# Altium PCB DM2080.PcbDoc (part 2 of 3) (continued)
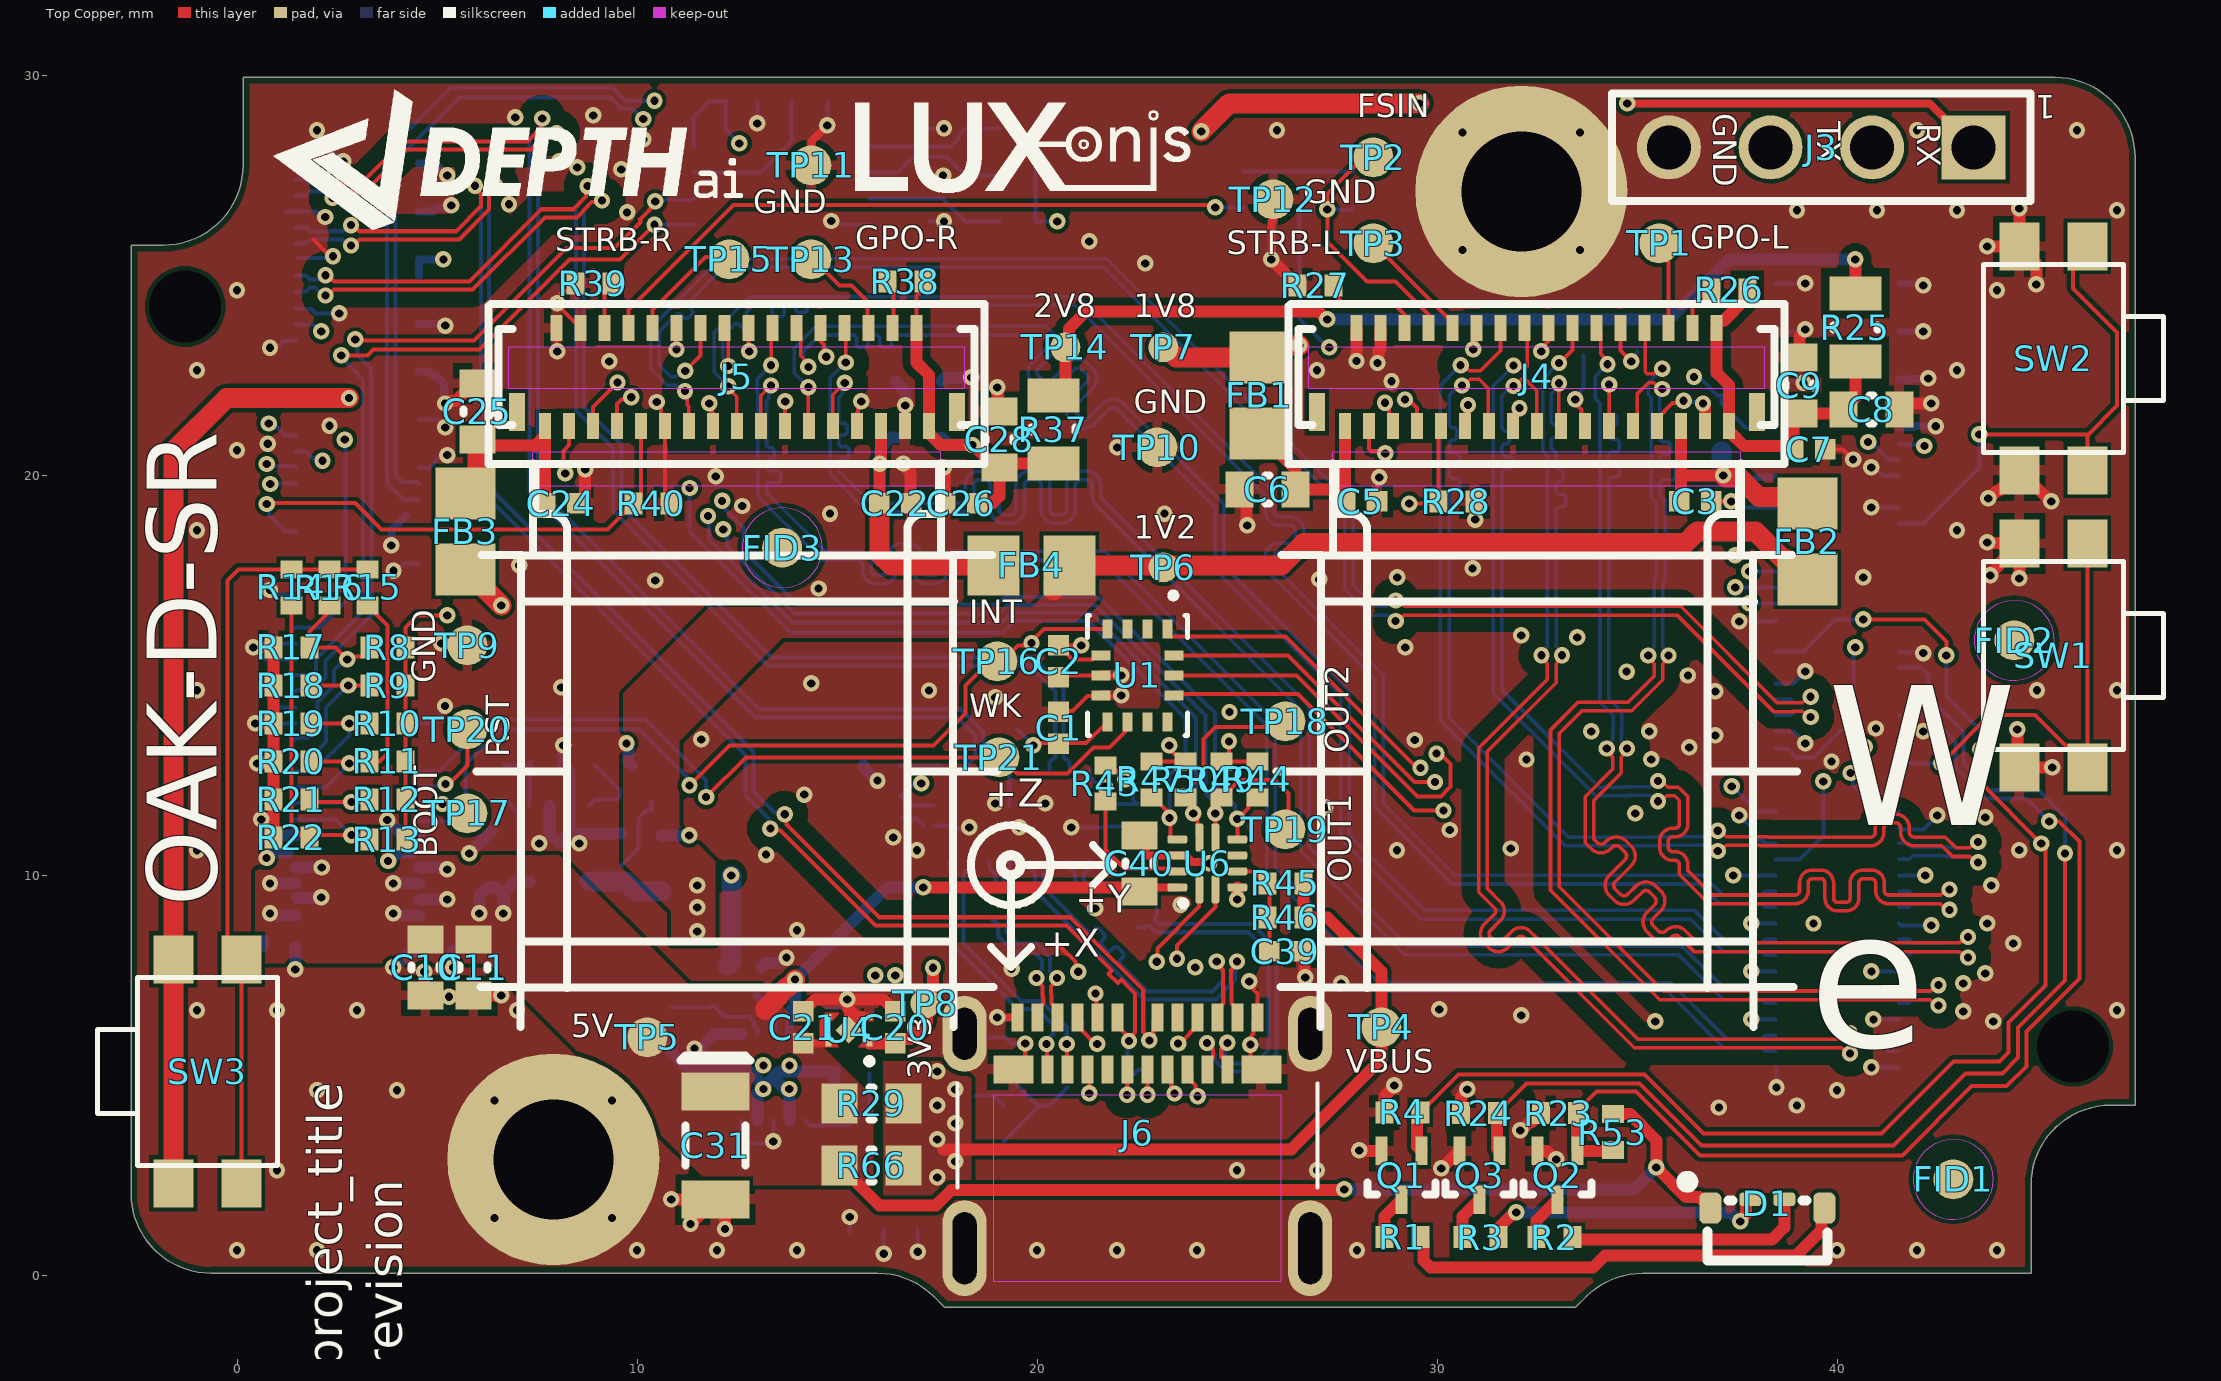
[diagram p0: Top Copper view]
## Nets (pads, with @x,y where several pads share a name; then routed paths per layer and width w, separated by ;. In a path a pad name is that pad's centre, name@x,y a point inside that pad or via, vN(x,y) a via of type N, cw(c..) or ccw(c..) an arc to the next point about the centre after c; other vN are vias at no path point) (continued)
  Top Copper w0.102: 1.9,25.9 2.323,25.477 v1(2.392,25.477) ; J5.2@7.98,23.684 7.98,23.12 v1(8,23.1) ; R39.2@8.442,24.917 8.442,24.773 8.276,24.607 8.132,24.607 8.063,24.538 8.063,24.446 8,24.382 v1(8,24.3) 8.015,24.285 8.015,24.25 J5.4@8.58,23.684 ; v1(10.486,21.832) 10.486,21.75 10.589,21.647 10.589,21.333 J5.11@10.688,21.234 10.688,19.412 R40.2@10.8,19.3 ; v1(10.981,23.148) J5.12@10.98,23.684 ; v1(11.8,21.8) 11.858,21.742 11.858,21.589 11.888,21.559 J5.15@11.888,21.234 ; J5.18@12.78,23.684 12.78,23.12 v1(12.8,23.1) ; J5.21@13.688,21.234 13.688,21.838 v1(13.7,21.85) ; J5.24@14.58,23.684 14.58,23.359 14.665,23.274 14.665,23.023 v1(14.724,22.965) ; U4.5@15.29,6.13 15.62,6.46 U4.2@15.8,6.46 ; J5.27@15.488,21.234 15.488,21.559 15.514,21.585 15.514,21.764 v1(15.6,21.85) ; J6.B12@19.4,5.15 19.699,5.449 v1(19.699,5.797) ; 20.503,8.211 20.579,8.211 20.95,7.84 20.95,7.802 20.966,7.787 20.966,7.649 v1(21.024,7.59) ; C1.1@20.53,14.09 20.548,14.108 20.883,14.108 21.257,14.482 21.57,14.482 21.577,14.475 22.075,14.475 v1(22.1,14.5) 22.1,14.926 v1@22.026,15 ; C2.1@20.53,14.95 20.58,15 U1.6@21.588,15 v1@22.026,15 ; v1(22.1,15) v1@22.026,15 ; U6.10@23.5,10.5 23.754,10.5 23.915,10.339 23.944,10.31 24.29,10.31 v1(24.3,10.3) ; v1(25.3,7.35) 25.3,7.268 25.4,7.168 25.4,7.15 25.5,7.05 J6.A12@25.5,6.45 25.401,6.351 25.401,6.041 25.352,5.992 25.352,5.794 v1(25.325,5.767) 25.325,5.425 J6.B1@25.6,5.15 ; C5.1@28.49,19.35 28.49,19.61 28.492,19.612 28.492,19.892 v1(28.55,19.95) ; J4.11@30.688,21.234 30.688,21.559 30.711,21.583 30.711,21.702 v1(30.769,21.761) ; v1(30.9,23.15) 30.958,23.208 30.958,23.337 30.98,23.359 J4.12@30.98,23.684 ; R28.2@30.928,19.35 30.928,18.914 v1(30.95,18.892) ; J4.15@31.888,21.234 31.888,21.538 32.03,21.68 v1(32.057,21.68) ; v1(32.6,23.1) 32.6,23.179 32.78,23.359 J4.18@32.78,23.684 ; v1(33.45,21.9) 33.508,21.842 33.508,21.739 33.607,21.64 33.607,21.315 J4.21@33.688,21.234 ; J4.24@34.58,23.684 34.58,23.12 v1(34.85,22.85) ; J4.27@35.488,21.234 35.488,21.409 35.884,21.806 36.1,21.806 v1(36.159,21.864) ; C3.1@36.85,19.35 v1(37.35,19.35) ; C9.1@39.05,22.95 39.05,23.3 39.124,23.374 39.124,23.545 39.124,23.574 v1(39.2,23.65) ; C7.1@39.702,20.648 40.144,20.648 v1(40.396,20.396)
  Top Copper w0.2: TP11.1@14.35,27.75 14.35,28.35 v1(14.75,28.75) ; v1(19,6.45) J6.A1@19.5,6.45 ; C40.1@22.9,11.15 22.9,11.094 22.7,10.894 22.7,10.5 U6.10@23.5,10.5 23.706,10.5 23.866,10.339 23.915,10.339 24.261,10.339 v1@24.29,10.31 ; v1(25.85,25.4) 25.85,26.34 25.9,26.39 TP12.1@25.9,26.9
  Top Copper w0.3: v1(0.4,15.7) R17.1@0.9,15.7 R18.1@0.9,14.75 R19.1@0.9,13.8 ; v1(0.45,13.8) R19.1@0.9,13.8 ; v1(0.5,12.8) 0.85,12.8 R20.1@0.9,12.85 ; R22.1@0.9,10.95 R21.1@0.9,11.9 R20.1@0.9,12.85 ; v1(4.673,7.59) 4.673,7.027 C10.1@4.7,7 ; v1(5.195,21.795) 5.224,21.795 5.282,21.853 5.453,21.853 5.9,22.3 C25.1@6,22.3 ; v1(5.295,6.965) 5.312,6.983 5.883,6.983 C11.1@5.9,7 v1(6.6,7) ; C24.1@8.5,19.3 8.697,19.497 8.697,20.147 v1(8.7,20.15) ; v1(10.85,1.9) C31.2@11.95,1.9 ; v1(11.332,1.282) C31.2@11.95,1.9 ; v1(12.195,1.16) 12.195,1.855 12.05,2 C31.2@11.95,1.9 ; C21.2@14.15,6.6 14.45,6.9 v1(15.25,6.9) ; U4.5@15.29,6.13 15.306,6.146 15.306,6.274 15.312,6.279 15.312,6.626 ; 15.62,6.46 15.478,6.46 15.27,6.667 15.27,6.88 v1(15.25,6.9) ; C20.1@16.45,6.6 16.15,6.9 v1(15.25,6.9) ; v1(16.651,20.295) 16.651,20.266 16.829,20.088 16.829,19.41 16.85,19.389 C22.1@16.85,19.3 ; v1(17.658,20.197) 17.679,20.176 17.679,19.321 C26.1@17.7,19.3 ; v1(19,22.2) 19,21.65 C28.1@19.05,21.6 ; v1(22,20.7) v1@22.029,20.7 ; v1(25,9.4) U6.3@25,9.7 ; C6.1@25.05,19.65 25.23,19.47 25.23,18.77 v1(25.25,18.75) ; v1(25.85,25.4) R27.2@26.5,24.75 ; C39.1@26.6,8.1 26.68,8.02 26.68,7.47 v1(26.7,7.45) ; J4.2@27.98,23.684 v1(27.98,22.857) v1@28,22.877 ; v1@28.1,3.15 28.075,3.125 v1(28.05,3.125) 28.065,3.11 Q1.2@28.6,3.11 ; v1(28.508,22.808) 28.528,22.828 28.528,23.12 28.58,23.173 J4.4@28.58,23.684 ; R4.2@28.675,4.075 28.675,4.471 28.925,4.721 v1(28.925,4.75) ; v1(30.1,2.675) 30.115,2.675 Q3.2@30.55,3.11 ; R24.2@30.587,4.059 30.587,4.458 30.75,4.621 v1(30.75,4.65) ; v1(32.075,3.625) 32.104,3.625 32.312,3.834 32.362,3.834 R23.2@32.587,4.059 ; Q2.2@32.5,3.11 32.736,3.11 32.946,2.9 v1(32.975,2.9) ; v1(36.642,21.794) 36.642,21.765 36.688,21.719 J4.31@36.688,21.234 ; C9.1@39.05,23.3 39.05,23.471 39.124,23.545 39.2,23.621 v1(39.2,23.65) ; C8.1@41.55,21.65 41.7,21.8 v1(42.35,21.8) ; v1(43.75,18.325) 43.77,18.305 44.045,18.305 44.05,18.3 SW1.1@44.55,18.3 ; v1(43.75,25.725) SW2.1@44.55,25.725 ; v1(43.775,19.425) 43.804,19.425 44.004,19.625 44.05,19.625 SW2.3@44.55,20.125 45.325,19.35 v1(45.35,19.35) ; v1(43.825,17.5) 43.825,17.529 44.05,17.754 44.05,17.8 SW1.1@44.55,18.3 ; v1(44.5,13.65) 44.5,12.75 SW1.3@44.55,12.7 v1(45.375,12.7) ; v1(44.55,17.425) SW1.1@44.55,18.3 ; v1(44.55,26.675) SW2.1@44.55,25.725 ; v1(44.975,24.775) 44.975,25.3 SW2.1@44.55,25.725 ; R20.1@0.9,12.85 R19.1@0.9,13.8
  Layer 2 w0.102: v1(2.2,26.457) 2.2,26.375 2,26.174 2,25.869 v1(2.392,25.477)
  Layer 3 w0.102: v1(2.2,26.457) 2.2,26.4 1.9,26.1 1.9,25.969 v1(2.392,25.477) v1@2.323,25.477 ; v1(13.7,21.85) 13.758,21.908 13.758,23.408 ; 14.724,21.724 v1(14.724,22.965) 14.724,23.474 ; 32.441,21.709 32.441,22.857
  Bottom Layer w0.102: v1(0.813,17.132) 0.895,17.132 0.988,17.039 1.161,17.039 1.2,17 J2.46@1.46,17 ; v1(0.818,23.192) 0.877,23.25 1.05,23.25 1.161,23.361 1.421,23.361 J2.78@1.46,23.4 ; J2.94@1.2,26.6 1.975,26.6 2.118,26.457 v1(2.2,26.457) ; J2.30@1.46,13.8 v1(0.45,13.8) 0.85,14.2 J2.32@1.46,14.2 ; J2.38@1.46,15.4 0.7,15.4 v1(0.4,15.7) 1.01,15.7 1.11,15.8 J2.40@1.46,15.8 ; J2.82@1.46,24.2 1.499,24.161 1.849,24.161 1.96,24.05 v1(2.55,24.05) ; J2.100@1.46,27.8 1.72,27.8 1.975,28.055 2.438,28.055 2.643,27.85 v1(2.65,27.85) ; J2.88@1.498,25.438 2.354,25.438 v1(2.392,25.477) ; v1(3.905,17.615) 3.987,17.615 4.172,17.8 J2.49@4.54,17.8 ; J2.29@4.54,13.8 4.89,13.8 5.042,13.952 5.042,13.998 5.195,14.15 v1(5.195,14.233) ; J2.39@4.54,15.8 v1(5.1,15.8) ; J2.61@4.54,20.2 4.8,20.2 5.047,20.446 5.19,20.446 v1(5.249,20.505) ; J2.67@4.54,21.4 5,21.4 v1(5.2,21.2) ; v1(13,28.8) C61.1@13,29.35 ; v1(14.75,28.75) R62.1@14.75,29.35 ; v1(14.85,26.357) 14.908,26.299 15.073,26.299 15.097,26.275 U8.4@15.8,26.275 ; R41.1@15.31,1.09 v1(15.31,1.46) v1@15.31,1.51 ; v1(16.16,0.54) C30.1@16.16,1.14 ; C38.1@16.6,11.42 16.98,11.42 U5.20@17.15,11.25 ; v1(17.01,0.59) C29.1@17.01,1.14 ; R65.1@17.3,26.35 v1(17.67,26.35) ; R64.1@17.3,27.5 17.302,27.498 v1(17.646,27.498) ; R63.1@17.3,28.675 v1(17.67,28.675) ; U5.20@17.4,11.25 17.946,11.25 18.046,11.15 U5.21@18.3,11.15 ; J6.SH1@18.18,6.04 18.27,5.95 R52.1@19.2,5.95 19.353,5.797 v1(19.699,5.797) ; v1(18.95,14.45) C36.1@19.5,14.45 ; U5.21@19.3,11.75 U5.5@19.3,12.65 ; v1(20.85,11.2) U5.11@21.7,11.2 ; U5.11@21.7,11.25 21.73,11.22 C37.1@22.5,11.22 ; v1(33.45,21.9) 33.45,21.982 33.65,22.182 33.65,23 ; v1(34.85,22.85) 34.85,22.932 35,23.082 ; v1(36.159,21.864) 36.194,21.829 36.607,21.829 v1(36.642,21.794) ; v1(36.415,22.462) 36.473,22.404 36.596,22.404 37,22 C4.1@37.1,22 37.1,21.8 37.7,21.2 J1.82@38.46,21.2 ; v1(37.35,19.35) v1@37.408,19.408 ; v1(37.4,10) J1.26@38.46,10 ; v1(37.55,11.5) 37.851,11.199 37.851,11.08 38.04,10.89 38.11,10.89 38.2,10.8 J1.30@38.46,10.8 ; v1(37.55,16.35) 38.41,16.35 J1.58@38.46,16.4 ; v1(37.85,6.4) J1.8@38.46,6.4 ; v1(37.85,7.6) J1.14@38.46,7.6 ; v1(37.85,8.8) J1.20@38.46,8.8 ; J1.2@38.46,5.2 38.48,5.18 v1(38.48,4.7) ; J1.44@38.46,13.6 38.9,13.6 v1(39.2,13.3) ; J1.50@38.46,14.8 38.9,14.8 v1(39.2,15.1) ; J1.72@38.46,19.2 37.71,19.2 37.65,19.259 37.65,19.428 37.631,19.408 v1@37.408,19.408 ; J1.76@38.46,20 J1.76@38.45,20 ; J1.88@38.46,22.4 38.499,22.361 39.105,22.361 v1(39.152,22.313) ; J1.94@38.46,23.6 39.15,23.6 v1(39.2,23.65) ; J1.100@38.46,24.8 v1(39.2,24.8) ; v1(40.85,5.2) J1.1@41.54,5.2 ; v1(40.85,7.6) J1.13@41.54,7.6 ; v1(40.85,19.2) J1.71@41.54,19.2 ; v1(40.85,20.2) 40.932,20.2 41.133,20 J1.75@41.54,20 ; v1(40.9,6.4) J1.7@41.54,6.4 ; J1.19@41.54,8.8 41.59,8.75 v1(42.35,8.75) ; J1.31@41.54,11.2 41.59,11.15 42.15,11.15 v1(42.5,11.5) ; J1.53@41.54,15.6 41.562,15.578 42.128,15.578 v1(42.15,15.555) ; J1.25@41.54,10 v1(42.2,10) ; v1@37.408,19.408 37.91,19.91 ; 37.91,19.91 38,20 J1.76@38.45,20 ; 37.91,19.91 38.36,19.91 J1.76@38.45,20
  Bottom Layer w0.15: J1.93@41.54,23.6 v1(42.15,23.6) ; J1.99@41.54,24.8 J1.99@41.89,24.8 ; 41.891,24.799 42.101,24.799 v1(42.15,24.75)
  Bottom Layer w0.2: v1(3.85,18.25) 3.85,18.635 J2.55@4.202,18.987 ; J2.73@4.54,22.6 4.78,22.6 4.888,22.491 4.974,22.491 5.167,22.298 5.167,21.824 v1(5.195,21.795) ; J2.79@4.54,23.8 4.55,23.79 5.097,23.79 5.144,23.743 v1(5.2,23.743) ; J2.85@4.54,25 J2.87@4.54,25.4 v1(5.15,25.4) ; J2.93@4.54,26.6 4.89,26.6 4.978,26.688 5.288,26.688 v1(5.35,26.75) ; J2.99@4.54,27.8 4.95,27.8 v1(5.25,27.5) ; J1.81@41.54,21.2 41.55,21.21 41.9,21.21 41.919,21.229 v1(42.46,21.229) ; J1.87@41.54,22.4 41.89,22.4 41.901,22.411 v1@42.111,22.411 ; v1@42.15,22.45 v1@42.111,22.411 ; v1(42.275,22.425) 42.261,22.411 v1@42.111,22.411
  Bottom Layer w0.3: v1(0.6,11.4) 0.629,11.4 1.029,11 J2.16@1.46,11 ; 0.65,8.25 0.66,8.26 0.66,8.357 ; v1(0.734,10.435) 0.762,10.435 0.895,10.568 J2.14@1.26,10.568 ; v1(1.45,7.65) 1.46,7.66 J2.2@1.46,8.2 ; v1(3.75,11.381) 3.763,11.381 4.086,11.058 4.482,11.058 J2.15@4.54,11 ; v1(3.771,10.361) 3.8,10.361 4.007,10.568 J2.13@4.34,10.568 ; v1(3.9,7.7) 3.929,7.7 4.339,8.11 4.45,8.11 J2.1@4.54,8.2 ; 5.38,8.12 5.38,7.72 v1(5.4,7.7) ; v1(5.8,10.55) C12.1@6.35,11.1 ; U2.2@7.8,11.75 7.8,11.05 U2.9@8.05,10.8 U2.9@8.3,11.05 ; v1(8.15,13.25) C13.1@8.15,12.75 8.3,12.6 U2.3@8.3,11.75 U2.9@8.3,11.05 ; C15.1@9.6,11.05 U2.9@8.3,11.05 ; v1(9.727,13.3) 9.727,13.271 9.775,13.223 9.775,12.825 R32.1@9.85,12.75 ; C14.1@10.6,11 v1(11.3,11) ; R36.2@10.85,5.8 10.85,5.575 11.275,5.15 C17.2@11.85,5.15 12.75,5.15 U3.11@13.175,4.725 ; U3.4@13,3.871 13,4.55 U3.11@13.175,4.725 ; C18.1@13.1,7.7 13.21,7.81 13.565,7.81 13.698,7.943 v1(13.727,7.943) ; U3.11@13.2,4.65 13.2,4.7 U3.11@13.175,4.725 ; U3.11@13.778,5.222 v1(13.804,5.247) ; U3.2@13.8,3.871 13.8,4.55 U3.11@13.69,4.66 ; v1(13.8,4.66) U3.11@13.69,4.66 ; C19.2@14.75,6.8 15.01,6.8 15.09,6.88 15.38,6.88 v1@15.4,6.9 ; R34.2@14.9,4.25 14.9,5.05 C16.1@14.95,5.1 13.55,5.1 U3.11@13.4,4.95 ; R42.2@15.65,12.75 15.65,12.7 15.983,12.367 v1(16.006,12.367) ; C23.1@16.45,22.35 16.7,22.1 v1(16.7,21.75) ; C27.1@17.6,22.35 17.7,22.45 v1(18.35,22.45) ; U3.11@13.175,4.725 U3.11@13.4,4.95 ; U3.11@13.4,4.95 U3.11@13.69,4.66
  other v1: -0.009,0.628 1.991,0.628 9.991,0.628 11.991,0.628 13.991,0.628 19.991,0.628 21.991,0.628 23.991,0.628 27.991,0.628 39.991,0.628 41.991,0.628 43.991,0.628 6.433,1.433 9.367,1.433 0.991,2.628 24.991,2.628 26.991,2.628 37.038,4.195 38.988,4.245 6.433,4.367 9.367,4.367 1.991,4.628 3.991,4.628 39.991,4.628 13.15,4.66 13.15,5.25 35.45,6.35 43.9,6.35 32.1,6.5 43.15,6.6 -1.009,6.628 0.991,6.628 2.991,6.628 6.991,6.628 46.991,6.628 30.05,6.65 27.6,7.3 43.15,7.3 43.7,7.55 19.359,7.662 23.95,7.7 44.4,8.3 13.991,8.628 39.404,8.796 43.75,8.8 21.448,9.17 23.579,9.267 43.85,9.75 13.221,10.518 -1.009,10.628 16.991,10.628 28.991,10.628 44.55,10.63 46.991,10.628 31.835,10.67 7.55,10.8 8.55,10.8 16.4,10.95 30.311,11.136 18.3,11.2 19.55,11.2 43.7,11.45 34.95,11.55 27.2,11.7 18.95,11.8 20.2,11.8 14.175,12.018 39.852,12.847 32.227,12.895 35.35,12.9 36.3,13.2 11.6,13.4 29.434,13.382 36.95,13.5 33.85,13.6 35.3,13.6 42.15,13.6 40.963,13.672 24.808,14.086 17.294,14.619 36.95,14.6 -1.009,14.628 44.991,14.628 46.991,14.628 8.1,14.7 14.35,14.8 36.264,14.995 34.734,15.093 29.2,15.7 33.5,15.95 32.1,16 14.534,17.173 10.447,17.37 27.05,17.4 29,17.45 40.65,17.45 30.883,17.675 7.05,17.75 -1.009,18.628 42.991,18.628 23.178,19.042 14.815,19.043 12.623,19.237 11.96,19.975 -0.009,20.628 0.762,20.791 2.305,21.24 28.856,22.351 -1.009,22.628 26.991,22.628 42.991,22.628 9.3,22.85 -0.009,24.628 43.991,24.628 22.7,25.3 30.633,25.633 33.567,25.633 21.3,25.85 9.746,26.575 38.991,26.628 40.991,26.628 42.991,26.628 46.991,26.628 6.794,26.778 9.6,27.65 8.5,27.7 8.05,27.85 10.15,28.4 30.633,28.567 33.567,28.567 1.991,28.628 25.991,28.628 41.991,28.628 45.991,28.628 6.95,28.95 8.9,29 4.05,29.1
GPO_R: J5.28 TP13.1 | length 2.5
  Top Copper w0.102: TP13.1@14.35,25.45 15.05,24.75 15.35,24.75 15.75,24.35 J5.28@15.75,23.7
GPOL: J4.28 TP1.1 | length 2.2
  Top Copper w0.102: TP1.1@35.565,25.835 35.565,25.542 35.78,25.327 J4.28@35.78,23.684
I2C0_SCL: J2.34 U8.6 | length 20
  Top Copper w0.102: v1(2.95,23.4) 2.983,23.367 5.915,23.367 8.229,25.681 9.435,25.681 10.074,26.32 10.074,26.4 10.074,26.414 10.45,26.79 v1(10.45,26.85)
  Bottom Layer w0.102: J2.34@1.46,14.6 1.489,14.629 1.884,14.629 2.2,14.945 2.2,15.363 3.35,16.513 3.35,22.478 3.337,22.49 3.337,22.68 3.008,23.009 3.008,23.342 v1(2.95,23.4) ; v1(10.45,26.85) 10.487,26.888 11.362,26.888 U8.6@11.4,26.925
I2C0_SDA: J2.36 U8.5 | length 19.3
  Top Copper w0.102: v1(2.6,23) 3.25,23 3.4,23.15 6.05,23.15 8.3,25.4 9.563,25.4 v1(10.429,26.266)
  Bottom Layer w0.102: J2.36@1.46,15 1.473,15.013 1.899,15.013 1.962,15.076 1.962,15.412 3.147,16.597 3.147,22.394 2.6,22.94 v1(2.6,23) ; v1(10.429,26.266) 10.438,26.275 U8.5@11.4,26.275
I2C1_SCL: J1.35 J4.7 | length 21.4
  Top Copper w0.102: v1(29.195,21.896) 29.253,21.837 29.338,21.837 29.488,21.688 J4.7@29.488,21.234
  Layer 3 w0.102: v1(29.195,21.896) 29.144,21.845 29.144,21.256 30.25,20.15 35.055,20.15 35.734,20.829 37.716,20.829 39.55,18.995 39.55,15.85 40.592,14.808 40.592,13.397 40.688,13.3 v1(40.688,13.218)
  Bottom Layer w0.102: v1(40.688,13.218) 40.688,12.462 41.15,12 J1.35@41.54,12
I2C1_SDA: J1.33 J4.5 | length 21.8
  Top Copper w0.102: v1(28.689,21.815) 28.689,21.732 28.789,21.633 28.789,21.333 J4.5@28.888,21.234
  Layer 3 w0.102: v1(28.689,21.815) 28.65,21.775 28.65,21.35 30.1,19.9 35.2,19.9 35.85,20.55 37.6,20.55 39.3,18.85 39.3,15.694 40.333,14.661 v1(40.333,12.557)
  Bottom Layer w0.102: v1(40.333,12.557) 40.391,12.499 40.391,12.259 41.05,11.6 J1.33@41.54,11.6
I2C2_SCL: J1.77 J5.7 | length 36.1
  Top Copper w0.102: J5.7@9.488,21.234 9.488,21.788 9.6,21.9 9.797,21.9 v1(9.848,21.952)
  Layer 3 w0.102: v1(9.848,21.952) 9.848,21.998 10.15,22.3 10.15,23.35 11.3,24.5 28,24.5 28.721,23.779 36.221,23.779 39.164,20.836 v1(40.771,20.836)
  Bottom Layer w0.102: v1(40.771,20.836) 40.844,20.836 41.28,20.4 J1.77@41.54,20.4
I2C2_SDA: J1.79 J5.5 | length 37.9
  Top Copper w0.102: J5.5@8.888,21.234 8.888,21.709 v1(9.503,22.324)
  Layer 3 w0.102: v1(9.503,22.324) 9.85,22.671 9.85,23.45 11.3,24.9 28.05,24.9 28.91,24.04 36.384,24.04 39.174,21.25 41.662,21.25 v1(42.176,20.736)
  Bottom Layer w0.102: J1.79@41.54,20.8 41.572,20.768 42.144,20.768 v1(42.176,20.736)
I2C3_SCL: J1.78
I2C3_SDA: J1.80
IMU_BOOTN_1V8: J2.19 TP17.1 | length 1.3
  Top Copper w0.102: v1(5.128,11.783) 5.211,11.783 5.271,11.722 5.578,11.722 TP17.1@5.75,11.55
  Bottom Layer w0.102: J2.19@4.54,11.8 4.549,11.791 5.119,11.791 v1(5.128,11.783)
IMU_INT_1V8: J2.17 TP16.1 U1.4 | length 21.6
  Top Copper w0.102: v1(11.307,12.25) 12.307,13.25 17.4,13.25 18.2,14.05 18.2,14.75 19,15.55 19.172,15.722 19.311,15.583 19.354,15.583 19.522,15.751 19.794,15.751 v1(19.852,15.809) 19.852,15.852 20.163,16.163 U1.4@21.75,16.163
  Bottom Layer w0.102: J2.17@4.54,11.4 4.579,11.361 5.004,11.361 5.008,11.357 5.292,11.357 5.7,11.765 5.7,12.777 6.565,13.643 9.567,13.643 9.58,13.656 9.874,13.656 9.887,13.643 10.057,13.643 11.249,12.451 11.249,12.308 v1(11.307,12.25)
IMU_RSTn_1V8: J2.21 TP20.1 | length 2.3
  Top Copper w0.102: v1(5.207,12.284) 5.289,12.284 5.75,12.745 TP20.1@5.75,13.65
  Bottom Layer w0.102: J2.21@4.54,12.2 4.579,12.239 5.162,12.239 v1(5.207,12.284)
IMU_WAKE_1V8: J2.23 TP21.1 U1.9 | length 20.6
  Top Copper w0.102: v1(11.721,11.956) 12.715,12.95 TP21.1@19.05,12.95 ; TP21.1@18.926,12.55 19.052,12.676 19.363,12.676 19.488,12.55 20.751,12.55 21.401,13.2 21.8,13.2 22.25,13.65 U1.9@22.25,13.838
  Bottom Layer w0.102: J2.23@4.54,12.6 4.89,12.6 4.897,12.607 5.058,12.607 6.35,13.9 10.2,13.9 11.721,12.379 v1(11.721,11.956)
KB_PWR: J1.69 SW2.2 SW2.4 | length 12.7
  Top Copper w0.102: v1(43.55,21.025) 46.225,21.025 46.25,21 ; SW2.2@45.893,25.925 45.893,24.675 46.993,23.575 46.993,21.743 46.25,21 ; SW2.4@46.25,20.125 46.25,21
  Bottom Layer w0.102: J1.69@41.54,18.8 42.15,18.8 43.55,20.2 v1(43.55,21.025)
LED_BLUE: J1.51 Q3.1 R24.1 | length 28.9
  Top Copper w0.102: R24.1@31.487,4.059 32.228,4.8 35.05,4.8 36.6,3.25 41.4,3.25 43.2,5.05 44.125,5.05 44.522,5.447 44.522,6.197 45.694,7.369 v1(45.694,10.55)
  Top Copper w0.3: R24.1@31.487,4.059 31.487,3.173 Q3.1@31.55,3.11
  Bottom Layer w0.102: J1.51@41.54,15.2 42.091,15.2 42.275,15.016 42.275,14.475 43.159,13.591 43.159,12.779 43.809,12.128 45.025,12.128 45.694,11.458 v1(45.694,10.55)
LED_GREEN: J1.45 Q2.1 R23.1 R53.2 | length 27.3
  Top Copper w0.102: R23.1@33.487,4.059 33.487,4.109 33.975,4.597 34.966,4.597 36.563,3 41.625,3 43.355,4.73 44.23,4.73 44.725,5.225 44.725,6.1 46.05,7.425 46.05,10.845 45.545,11.35 v1(45.3,11.35)
  Top Copper w0.3: R23.1@33.487,4.059 33.487,3.123 Q2.1@33.5,3.11 34.363,3.11 R53.2@34.387,3.134
  Bottom Layer w0.102: J1.45@41.54,14 42.308,14 42.956,13.352 42.956,12.694 43.725,11.925 44.725,11.925 v1(45.3,11.35)
LED_RED: J1.54 Q1.1 R4.1 | length 34.1
  Top Copper w0.102: R4.1@29.575,4.075 30.525,5.025 35.175,5.025 36.65,3.55 41.1,3.55 42.9,5.35 44.05,5.35 44.275,5.575 44.275,6.325 45.2,7.25 45.2,10.775 45.139,10.836 v1(45.098,10.796) 43.575,12.318 v1(43.575,13.15) ; v1(40.65,16.4) 42.175,16.4 42.725,15.85 v1(42.725,15.5)
  Top Copper w0.3: R4.1@29.487,4.059 29.487,3.223 Q1.1@29.6,3.11
  Bottom Layer w0.102: J1.54@38.46,15.6 39.15,15.6 39.95,16.4 v1(40.65,16.4) ; v1(42.725,15.5) 42.725,14.475 43.575,13.625 v1(43.575,13.15)
MIPI_RX2_C_N: J1.95
MIPI_RX2_C_P: J1.97
MIPI_RX2_D0_N: J1.89
MIPI_RX2_D0_P: J1.91
MIPI_RX2_D1_N: J1.83
MIPI_RX2_D1_P: J1.85
MIPI_RX3_C_N: J1.96
MIPI_RX3_C_P: J1.98
MIPI_RX3_D0_N: J1.90
MIPI_RX3_D0_P: J1.92
MIPI_RX3_D1_N: J1.84
MIPI_RX3_D1_P: J1.86
MIPI_RX4_C_N: J1.3 J4.20 | length 28.9
  Top Copper w0.089: v1(32.608,15.503) 32.608,15.438 32.754,15.292 32.754,14.904 31.034,13.184 31.034,10.186 31.034,9.58 31.425,9.19 cw(c31.341,9.107) 31.425,9.023 31.175,8.774 ccw(c31.411,8.538) 31.175,8.302 31.287,8.191 ccw(c31.523,8.427) 31.759,8.191 32.008,8.44 cw(c32.091,8.356) 32.175,8.44 32.283,8.332 34.923,5.692 39.883,5.692 39.885,5.69 40.104,5.69 40.25,5.544 v1(40.314,5.544) ; v1(33.041,22.811) 33.057,22.811 33.38,23.134 J4.20@33.38,23.684 J4.20@33.38,23.7
  Bottom Layer w0.089: v1(32.608,15.503) 32.608,15.568 32.754,15.714 32.754,17.142 32.744,17.151 32.744,20.488 32.632,20.6 32.632,22.401 32.977,22.746 32.977,22.811 v1(33.041,22.811) ; v1(40.314,5.544) 40.379,5.544 40.525,5.69 40.734,5.69 40.736,5.692 41.188,5.692 41.28,5.6 J1.3@41.54,5.6
MIPI_RX4_C_P: J1.5 J4.19 | length 28.8
  Top Copper w0.089: v1(33.041,22.303) 33.041,21.296 J4.19@33.088,21.25 ; v1(33.116,15.503) 33.116,15.438 32.97,15.292 32.97,14.814 31.25,13.095 31.25,10.402 31.25,9.67 31.577,9.343 cw(c31.341,9.107) 31.577,8.87 31.328,8.621 ccw(c31.411,8.538) 31.328,8.454 31.439,8.343 ccw(c31.523,8.427) 31.606,8.343 31.855,8.593 cw(c32.091,8.356) 32.327,8.593 32.435,8.485 35.012,5.908 39.972,5.908 39.974,5.906 40.104,5.906 40.25,6.052 v1(40.314,6.052)
  Bottom Layer w0.089: v1(33.041,22.303) 33.041,22.217 32.848,22.023 32.848,21.9 32.848,21.364 ccw(c32.943,21.364) 32.943,21.269 33.007,21.269 cw(c33.007,21.174) 33.102,21.174 33.102,21.047 cw(c33.007,21.047) 33.007,20.952 32.943,20.952 ccw(c32.943,20.857) 32.848,20.857 32.848,20.69 32.96,20.577 32.96,20.496 32.96,20.45 32.96,20.255 ccw(c33.055,20.255) 33.055,20.16 cw(c33.055,20.065) 33.15,20.065 33.15,19.938 cw(c33.055,19.938) 33.055,19.843 ccw(c33.055,19.748) 32.96,19.748 32.96,19.622 ccw(c33.055,19.622) 33.055,19.526 33.119,19.526 cw(c33.119,19.431) 33.214,19.431 33.214,19.305 cw(c33.119,19.305) 33.119,19.21 33.055,19.21 ccw(c33.055,19.114) 32.96,19.114 32.96,18.753 32.96,17.241 32.97,17.231 32.97,15.714 33.116,15.568 v1(33.116,15.503) ; v1(40.314,6.052) 40.379,6.052 40.525,5.906 40.644,5.906 40.647,5.908 41.188,5.908 41.28,6 J1.5@41.54,6
MIPI_RX4_D0_N: J1.9 J4.26 | length 28.9
  Top Copper w0.089: J4.26@35.18,23.7 35.286,23.594 35.199,23.508 35.199,22.587 35.251,22.535 35.411,22.535 35.544,22.668 v1(35.622,22.668) ; v1(35.274,15.498) 35.274,15.434 35.42,15.287 35.42,14.982 34.77,14.332 33.527,14.332 32.83,13.636 32.83,9.625 35.562,6.893 42.32,6.893 42.466,6.747 v1(42.531,6.747)
  Bottom Layer w0.089: v1(35.274,15.498) 35.274,15.563 35.42,15.709 35.42,17.4 35.479,17.459 35.479,19.308 35.349,19.437 35.349,21.939 35.273,22.015 35.273,22.319 v1(35.622,22.668) ; J1.9@41.54,6.8 41.8,6.8 41.892,6.892 42.077,6.892 42.093,6.875 42.317,6.875 42.445,6.747 v1(42.531,6.747)
MIPI_RX4_D0_P: J1.11 J4.25 | length 28.8
  Top Copper w0.089: J4.25@34.888,21.25 34.993,21.356 34.993,22.033 35.28,22.319 35.411,22.319 35.57,22.16 v1(35.622,22.16) ; v1(35.782,15.498) 35.782,15.434 35.636,15.287 35.636,14.893 34.859,14.116 33.616,14.116 33.046,13.546 33.046,9.714 35.651,7.109 42.32,7.109 42.466,7.255 v1(42.531,7.255)
  Bottom Layer w0.089: v1(35.622,22.16) 35.565,22.103 35.565,21.5 35.565,20.931 ccw(c35.66,20.931) 35.66,20.836 35.736,20.836 cw(c35.736,20.741) 35.831,20.741 35.831,20.614 cw(c35.736,20.614) 35.736,20.519 35.66,20.519 ccw(c35.66,20.424) 35.565,20.424 35.565,20.297 ccw(c35.66,20.297) 35.66,20.202 35.857,20.202 cw(c35.857,20.107) 35.952,20.107 35.952,19.98 cw(c35.857,19.98) 35.857,19.885 35.66,19.885 ccw(c35.66,19.79) 35.565,19.79 35.565,19.527 35.616,19.476 35.695,19.397 35.695,17.369 35.636,17.31 35.636,15.709 35.782,15.563 v1(35.782,15.498) ; J1.11@41.54,7.2 41.8,7.2 41.892,7.108 42.166,7.108 42.183,7.091 42.345,7.091 42.509,7.255 v1(42.531,7.255)
MIPI_RX4_D1_N: J1.15 J4.22 | length 28.8
  Top Copper w0.089: J4.22@33.98,23.7 34.086,23.594 34.086,23.035 34.256,22.865 v1(34.256,22.779) ; v1(34.235,13.169) 34.235,13.104 34.381,12.958 34.381,12.65 33.7,11.969 33.7,11.078 33.7,10.812 33.845,10.667 ccw(c34.092,10.914) 34.339,10.667 34.379,10.707 cw(c34.473,10.612) 34.567,10.706 ; 34.567,10.706 34.692,10.581 cw(c34.598,10.487) 34.692,10.392 34.297,9.997 ccw(c34.543,9.749) 34.296,9.503 34.422,9.377 ccw(c34.669,9.624) 34.915,9.377 35.12,9.582 cw(c35.214,9.487) 35.309,9.581 35.433,9.457 cw(c35.34,9.362) 35.434,9.268 35.245,9.079 ccw(c35.492,8.832) 35.245,8.585 35.371,8.46 ccw(c35.617,8.707) 35.864,8.46 cw(c35.958,8.366) 36.053,8.459 ; 36.053,8.459 36.418,8.094 37.267,8.094 43.054,8.094 43.2,7.948 v1(43.265,7.948)
  Bottom Layer w0.089: v1(34.235,13.169) 34.235,13.233 34.381,13.379 34.381,13.604 34.394,13.617 34.394,14 34.067,14.328 34.067,21.8 33.946,21.921 33.946,22.47 v1(34.256,22.779) ; J1.15@41.54,8 41.8,8 41.892,8.092 42.807,8.092 42.809,8.094 43.054,8.094 43.2,7.948 v1(43.265,7.948)
MIPI_RX4_D1_P: J1.17 J4.23 | length 28.8
  Top Copper w0.089: J4.23@34.288,21.25 34.296,21.258 v1(34.296,22.271) ; v1(34.743,13.169) 34.743,13.104 34.597,12.958 34.597,12.56 33.916,11.88 33.916,11.294 33.916,10.902 33.998,10.82 ccw(c34.092,10.914) 34.186,10.82 34.225,10.859 cw(c34.473,10.612) 34.683,10.891 34.688,10.891 34.877,10.702 34.877,10.697 cw(c34.598,10.487) 34.845,10.24 34.448,9.843 ccw(c34.543,9.749) 34.449,9.655 34.574,9.53 ccw(c34.669,9.624) 34.763,9.53 34.967,9.734 cw(c35.214,9.487) 35.425,9.766 35.429,9.766 35.618,9.577 35.618,9.572 cw(c35.34,9.362) 35.586,9.115 35.398,8.926 ccw(c35.492,8.832) 35.398,8.738 35.523,8.612 ccw(c35.617,8.707) 35.712,8.612 cw(c35.958,8.366) 36.169,8.644 36.174,8.644 36.507,8.31 37.331,8.31 43.054,8.31 43.2,8.456 v1(43.265,8.456)
  Bottom Layer w0.089: v1(34.296,22.271) 34.283,22.258 34.283,21.8 34.283,21.636 ccw(c34.378,21.636) 34.378,21.541 34.389,21.541 cw(c34.389,21.446) 34.484,21.446 34.484,21.319 cw(c34.389,21.319) 34.389,21.224 34.378,21.224 ccw(c34.378,21.129) 34.283,21.129 34.283,21.002 ccw(c34.378,21.002) 34.378,20.907 34.455,20.907 cw(c34.455,20.812) 34.55,20.812 34.55,20.685 cw(c34.455,20.685) 34.455,20.59 34.378,20.59 ccw(c34.378,20.495) 34.283,20.495 34.283,20.368 ccw(c34.378,20.368) 34.378,20.273 34.455,20.273 cw(c34.455,20.178) 34.55,20.178 34.55,20.052 cw(c34.455,20.052) 34.455,19.956 34.378,19.956 ccw(c34.378,19.861) 34.283,19.861 34.283,19.5 34.283,14.417 34.61,14.09 34.61,13.528 34.597,13.514 34.597,13.379 34.743,13.233 v1(34.743,13.169) ; J1.17@41.54,8.4 41.8,8.4 41.892,8.308 42.717,8.308 42.72,8.31 43.054,8.31 43.2,8.456 v1(43.265,8.456)